# KiCad board beat_sequencer_choc.kicad_pcb
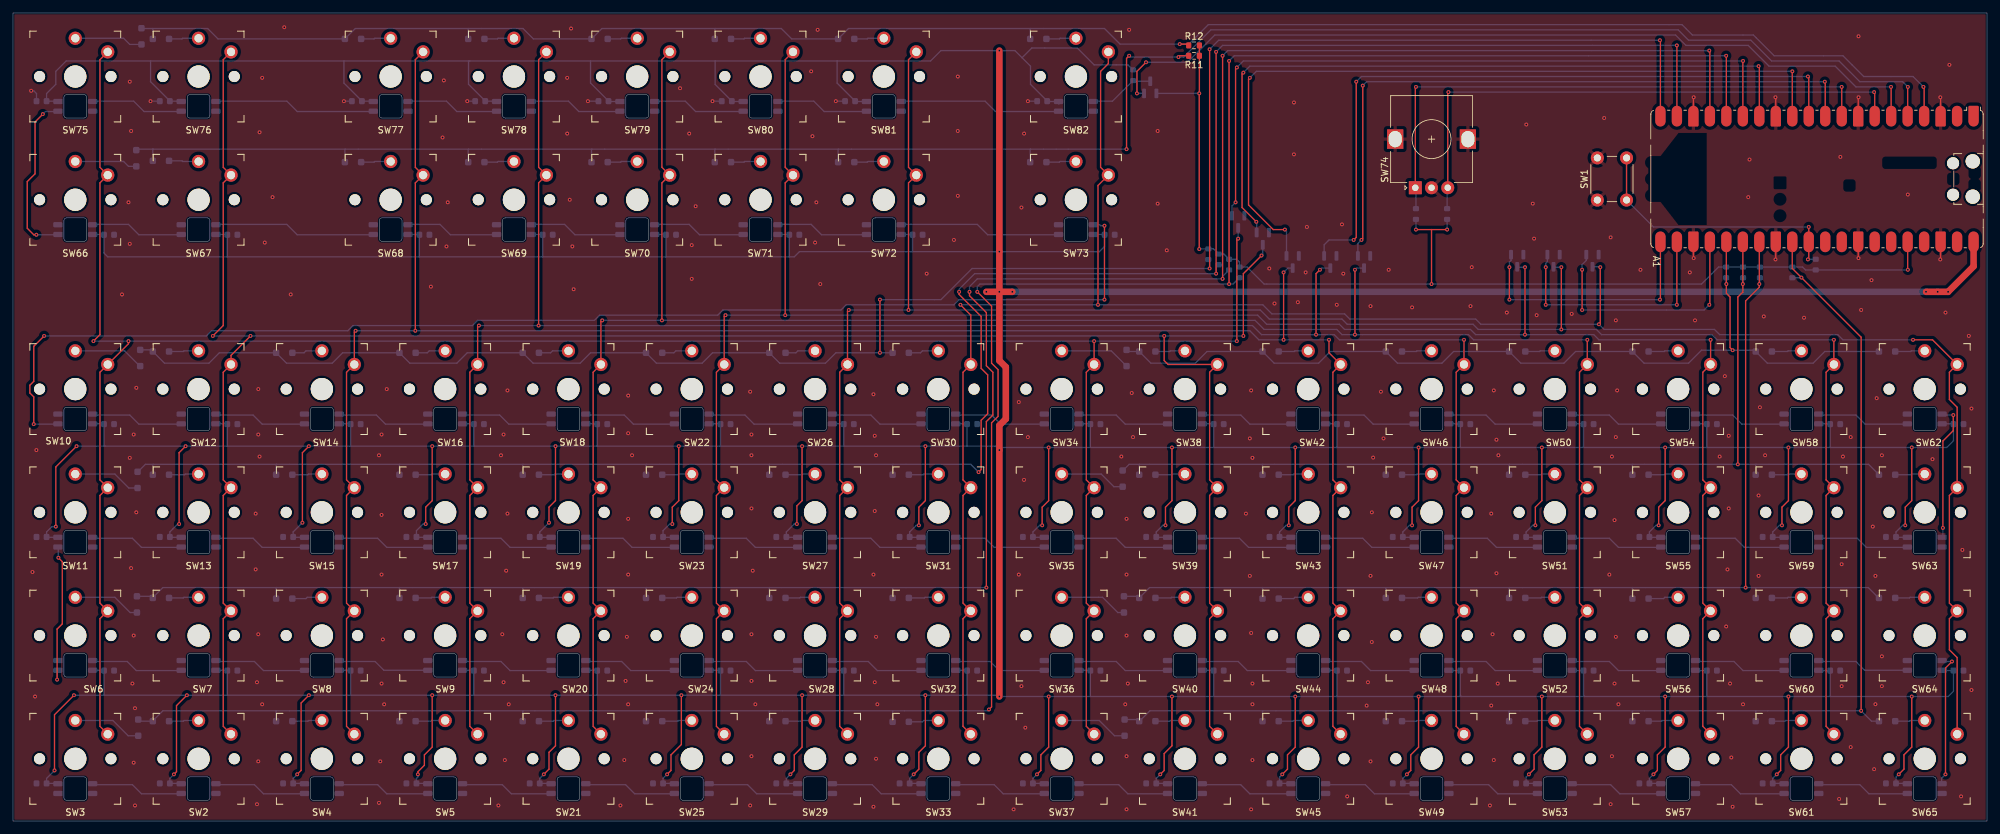
[diagram p0: board, top side]
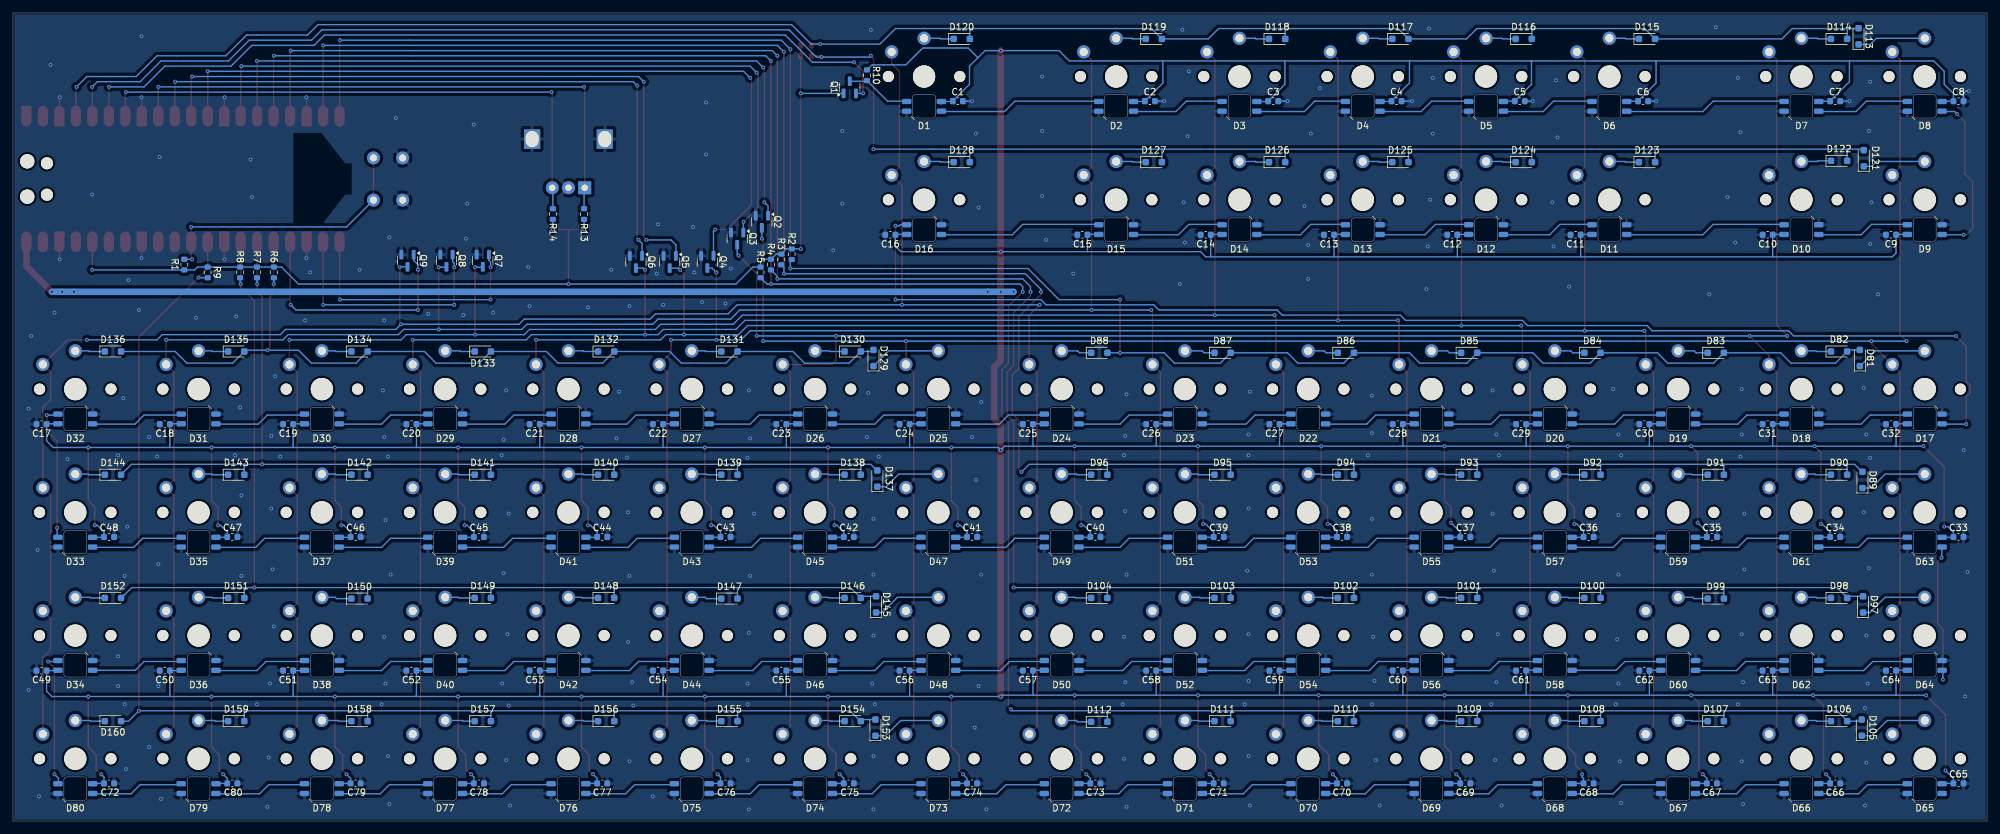
[diagram p1: board, bottom side, seen from below]

Outline 304.2 x 124.6 mm; copper layers: Top, Bottom. Coordinates in mm from the lower left corner of the outline.
Outline path: 0,124.6 304.2,124.6 304.2,0 0,0 0,124.6
Stack: Top 0.035mm / dielectric 1.51mm FR4 er 4.5 / Bottom 0.035mm

## Placement (name value [footprint] x y rotation side)
A1  RaspberryPi_Pico  [RaspberryPi_Pico_Common_SMD]  278 99 270 top
C1  100n  [C_0603_1608Metric]  158.6 111 180 bottom
C2  100n  [C_0603_1608Metric]  129 111 180 bottom
C3  100n  [C_0603_1608Metric]  110 111 180 bottom
C4  100n  [C_0603_1608Metric]  91 111 180 bottom
C5  100n  [C_0603_1608Metric]  72 111 180 bottom
C6  100n  [C_0603_1608Metric]  53 111 180 bottom
C7  100n  [C_0603_1608Metric]  23.4 111 180 bottom
C8  100n  [C_0603_1608Metric]  4.4 111 180 bottom
C9  100n  [C_0603_1608Metric]  14.8 90.4 0 bottom
C10  100n  [C_0603_1608Metric]  33.8 90.4 0 bottom
C11  100n  [C_0603_1608Metric]  63.4 90.4 0 bottom
C12  100n  [C_0603_1608Metric]  82.4 90.4 0 bottom
C13  100n  [C_0603_1608Metric]  101.4 90.4 0 bottom
C14  100n  [C_0603_1608Metric]  120.4 90.4 0 bottom
C15  100n  [C_0603_1608Metric]  139.4 90.4 0 bottom
C16  100n  [C_0603_1608Metric]  169 90.4 0 bottom
C17  100n  [C_0603_1608Metric]  299.8 61.2 0 bottom
C18  100n  [C_0603_1608Metric]  280.8 61.2 0 bottom
C19  100n  [C_0603_1608Metric]  261.8 61.2 0 bottom
C20  100n  [C_0603_1608Metric]  242.8 61.2 0 bottom
C21  100n  [C_0603_1608Metric]  223.8 61.2 0 bottom
C22  100n  [C_0603_1608Metric]  204.8 61.2 0 bottom
C23  100n  [C_0603_1608Metric]  185.8 61.2 0 bottom
C24  100n  [C_0603_1608Metric]  166.8 61.2 0 bottom
C25  100n  [C_0603_1608Metric]  147.8 61.2 0 bottom
C26  100n  [C_0603_1608Metric]  128.8 61.2 0 bottom
C27  100n  [C_0603_1608Metric]  109.8 61.2 0 bottom
C28  100n  [C_0603_1608Metric]  90.8 61.2 0 bottom
C29  100n  [C_0603_1608Metric]  71.8 61.2 0 bottom
C30  100n  [C_0603_1608Metric]  52.8 61.2 0 bottom
C31  100n  [C_0603_1608Metric]  33.8 61.2 0 bottom
C32  100n  [C_0603_1608Metric]  14.8 61.2 0 bottom
C33  100n  [C_0603_1608Metric]  4.4 43.8 180 bottom
C34  100n  [C_0603_1608Metric]  23.4 43.8 180 bottom
C35  100n  [C_0603_1608Metric]  42.4 43.8 180 bottom
C36  100n  [C_0603_1608Metric]  61.4 43.8 180 bottom
C37  100n  [C_0603_1608Metric]  80.4 43.8 180 bottom
C38  100n  [C_0603_1608Metric]  99.4 43.8 180 bottom
C39  100n  [C_0603_1608Metric]  118.4 43.8 180 bottom
C40  100n  [C_0603_1608Metric]  137.4 43.8 180 bottom
C41  100n  [C_0603_1608Metric]  156.4 43.8 180 bottom
C42  100n  [C_0603_1608Metric]  175.4 43.8 180 bottom
C43  100n  [C_0603_1608Metric]  194.4 43.8 180 bottom
C44  100n  [C_0603_1608Metric]  213.4 43.8 180 bottom
C45  100n  [C_0603_1608Metric]  232.4 43.8 180 bottom
C46  100n  [C_0603_1608Metric]  251.4 43.8 180 bottom
C47  100n  [C_0603_1608Metric]  270.4 43.8 180 bottom
C48  100n  [C_0603_1608Metric]  289.4 43.8 180 bottom
C49  100n  [C_0603_1608Metric]  299.8 23.2 0 bottom
C50  100n  [C_0603_1608Metric]  280.8 23.2 0 bottom
C51  100n  [C_0603_1608Metric]  261.8 23.2 0 bottom
C52  100n  [C_0603_1608Metric]  242.8 23.2 0 bottom
C53  100n  [C_0603_1608Metric]  223.8 23.2 0 bottom
C54  100n  [C_0603_1608Metric]  204.8 23.2 0 bottom
C55  100n  [C_0603_1608Metric]  185.8 23.2 0 bottom
C56  100n  [C_0603_1608Metric]  166.8 23.2 0 bottom
C57  100n  [C_0603_1608Metric]  147.8 23.2 0 bottom
C58  100n  [C_0603_1608Metric]  128.8 23.2 0 bottom
C59  100n  [C_0603_1608Metric]  109.8 23.2 0 bottom
C60  100n  [C_0603_1608Metric]  90.8 23.2 0 bottom
C61  100n  [C_0603_1608Metric]  71.8 23.2 0 bottom
C62  100n  [C_0603_1608Metric]  52.8 23.2 0 bottom
C63  100n  [C_0603_1608Metric]  33.8 23.2 0 bottom
C64  100n  [C_0603_1608Metric]  14.8 23.2 0 bottom
C65  100n  [C_0603_1608Metric]  4.4 5.8 180 bottom
C66  100n  [C_0603_1608Metric]  23.4 5.8 180 bottom
C67  100n  [C_0603_1608Metric]  42.4 5.8 180 bottom
C68  100n  [C_0603_1608Metric]  61.4 5.8 180 bottom
C69  100n  [C_0603_1608Metric]  80.4 5.8 180 bottom
C70  100n  [C_0603_1608Metric]  99.4 5.8 180 bottom
C71  100n  [C_0603_1608Metric]  118.4 5.8 180 bottom
C72  100n  [C_0603_1608Metric]  289.4 5.8 180 bottom
C73  100n  [C_0603_1608Metric]  137.4 5.8 180 bottom
C74  100n  [C_0603_1608Metric]  156.4 5.8 180 bottom
C75  100n  [C_0603_1608Metric]  175.4 5.8 180 bottom
C76  100n  [C_0603_1608Metric]  194.4 5.8 180 bottom
C77  100n  [C_0603_1608Metric]  213.4 5.8 180 bottom
C78  100n  [C_0603_1608Metric]  232.4 5.8 180 bottom
C79  100n  [C_0603_1608Metric]  251.4 5.8 180 bottom
C80  100n  [C_0603_1608Metric]  270.4 5.8 180 bottom
D1  WS2812B  [LED_SK6812_MINI_REVERSE]  163.8 110.2 180 bottom
D2  WS2812B  [LED_SK6812_MINI_REVERSE]  134.2 110.2 180 bottom
D3  WS2812B  [LED_SK6812_MINI_REVERSE]  115.2 110.2 180 bottom
D4  WS2812B  [LED_SK6812_MINI_REVERSE]  96.2 110.2 180 bottom
D5  WS2812B  [LED_SK6812_MINI_REVERSE]  77.2 110.2 180 bottom
D6  WS2812B  [LED_SK6812_MINI_REVERSE]  58.2 110.2 180 bottom
D7  WS2812B  [LED_SK6812_MINI_REVERSE]  28.6 110.2 180 bottom
D8  WS2812B  [LED_SK6812_MINI_REVERSE]  9.6 110.2 180 bottom
D9  WS2812B  [LED_SK6812_MINI_REVERSE]  9.6 91.2 0 bottom
D10  WS2812B  [LED_SK6812_MINI_REVERSE]  28.6 91.2 0 bottom
D11  WS2812B  [LED_SK6812_MINI_REVERSE]  58.2 91.2 0 bottom
D12  WS2812B  [LED_SK6812_MINI_REVERSE]  77.2 91.2 0 bottom
D13  WS2812B  [LED_SK6812_MINI_REVERSE]  96.2 91.2 0 bottom
D14  WS2812B  [LED_SK6812_MINI_REVERSE]  115.2 91.2 0 bottom
D15  WS2812B  [LED_SK6812_MINI_REVERSE]  134.2 91.2 0 bottom
D16  WS2812B  [LED_SK6812_MINI_REVERSE]  163.8 91.2 0 bottom
D17  WS2812B  [LED_SK6812_MINI_REVERSE]  9.6 62 0 bottom
D18  WS2812B  [LED_SK6812_MINI_REVERSE]  28.6 62 0 bottom
D19  WS2812B  [LED_SK6812_MINI_REVERSE]  47.6 62 0 bottom
D20  WS2812B  [LED_SK6812_MINI_REVERSE]  66.6 62 0 bottom
D21  WS2812B  [LED_SK6812_MINI_REVERSE]  85.6 62 0 bottom
D22  WS2812B  [LED_SK6812_MINI_REVERSE]  104.6 62 0 bottom
D23  WS2812B  [LED_SK6812_MINI_REVERSE]  123.6 62 0 bottom
D24  WS2812B  [LED_SK6812_MINI_REVERSE]  142.6 62 0 bottom
D25  WS2812B  [LED_SK6812_MINI_REVERSE]  161.6 62 0 bottom
D26  WS2812B  [LED_SK6812_MINI_REVERSE]  180.6 62 0 bottom
D27  WS2812B  [LED_SK6812_MINI_REVERSE]  199.6 62 0 bottom
D28  WS2812B  [LED_SK6812_MINI_REVERSE]  218.6 62 0 bottom
D29  WS2812B  [LED_SK6812_MINI_REVERSE]  237.6 62 0 bottom
D30  WS2812B  [LED_SK6812_MINI_REVERSE]  256.6 62 0 bottom
D31  WS2812B  [LED_SK6812_MINI_REVERSE]  275.6 62 0 bottom
D32  WS2812B  [LED_SK6812_MINI_REVERSE]  294.6 62 0 bottom
D33  WS2812B  [LED_SK6812_MINI_REVERSE]  294.6 43 180 bottom
D34  WS2812B  [LED_SK6812_MINI_REVERSE]  294.6 24 0 bottom
D35  WS2812B  [LED_SK6812_MINI_REVERSE]  275.6 43 180 bottom
D36  WS2812B  [LED_SK6812_MINI_REVERSE]  275.6 24 0 bottom
D37  WS2812B  [LED_SK6812_MINI_REVERSE]  256.6 43 180 bottom
D38  WS2812B  [LED_SK6812_MINI_REVERSE]  256.6 24 0 bottom
D39  WS2812B  [LED_SK6812_MINI_REVERSE]  237.6 43 180 bottom
D40  WS2812B  [LED_SK6812_MINI_REVERSE]  237.6 24 0 bottom
D41  WS2812B  [LED_SK6812_MINI_REVERSE]  218.6 43 180 bottom
D42  WS2812B  [LED_SK6812_MINI_REVERSE]  218.6 24 0 bottom
D43  WS2812B  [LED_SK6812_MINI_REVERSE]  199.6 43 180 bottom
D44  WS2812B  [LED_SK6812_MINI_REVERSE]  199.6 24 0 bottom
D45  WS2812B  [LED_SK6812_MINI_REVERSE]  180.6 43 180 bottom
D46  WS2812B  [LED_SK6812_MINI_REVERSE]  180.6 24 0 bottom
D47  WS2812B  [LED_SK6812_MINI_REVERSE]  161.6 43 180 bottom
D48  WS2812B  [LED_SK6812_MINI_REVERSE]  161.6 24 0 bottom
D49  WS2812B  [LED_SK6812_MINI_REVERSE]  142.6 43 180 bottom
D50  WS2812B  [LED_SK6812_MINI_REVERSE]  142.6 24 0 bottom
D51  WS2812B  [LED_SK6812_MINI_REVERSE]  123.6 43 180 bottom
D52  WS2812B  [LED_SK6812_MINI_REVERSE]  123.6 24 0 bottom
D53  WS2812B  [LED_SK6812_MINI_REVERSE]  104.6 43 180 bottom
D54  WS2812B  [LED_SK6812_MINI_REVERSE]  104.6 24 0 bottom
D55  WS2812B  [LED_SK6812_MINI_REVERSE]  85.6 43 180 bottom
D56  WS2812B  [LED_SK6812_MINI_REVERSE]  85.6 24 0 bottom
D57  WS2812B  [LED_SK6812_MINI_REVERSE]  66.6 43 180 bottom
D58  WS2812B  [LED_SK6812_MINI_REVERSE]  66.6 24 0 bottom
D59  WS2812B  [LED_SK6812_MINI_REVERSE]  47.6 43 180 bottom
D60  WS2812B  [LED_SK6812_MINI_REVERSE]  47.6 24 0 bottom
D61  WS2812B  [LED_SK6812_MINI_REVERSE]  28.6 43 180 bottom
D62  WS2812B  [LED_SK6812_MINI_REVERSE]  28.6 24 0 bottom
D63  WS2812B  [LED_SK6812_MINI_REVERSE]  9.6 43 180 bottom
D64  WS2812B  [LED_SK6812_MINI_REVERSE]  9.6 24 0 bottom
D65  WS2812B  [LED_SK6812_MINI_REVERSE]  9.6 5 180 bottom
D66  WS2812B  [LED_SK6812_MINI_REVERSE]  28.6 5 180 bottom
D67  WS2812B  [LED_SK6812_MINI_REVERSE]  47.6 5 180 bottom
D68  WS2812B  [LED_SK6812_MINI_REVERSE]  66.6 5 180 bottom
D69  WS2812B  [LED_SK6812_MINI_REVERSE]  85.6 5 180 bottom
D70  WS2812B  [LED_SK6812_MINI_REVERSE]  104.6 5 180 bottom
D71  WS2812B  [LED_SK6812_MINI_REVERSE]  123.6 5 180 bottom
D72  WS2812B  [LED_SK6812_MINI_REVERSE]  142.6 5 180 bottom
D73  WS2812B  [LED_SK6812_MINI_REVERSE]  161.6 5 180 bottom
D74  WS2812B  [LED_SK6812_MINI_REVERSE]  180.6 5 180 bottom
D75  WS2812B  [LED_SK6812_MINI_REVERSE]  199.6 5 180 bottom
D76  WS2812B  [LED_SK6812_MINI_REVERSE]  218.6 5 180 bottom
D77  WS2812B  [LED_SK6812_MINI_REVERSE]  237.6 5 180 bottom
D78  WS2812B  [LED_SK6812_MINI_REVERSE]  256.6 5 180 bottom
D79  WS2812B  [LED_SK6812_MINI_REVERSE]  275.6 5 180 bottom
D80  WS2812B  [LED_SK6812_MINI_REVERSE]  294.6 5 180 bottom
D81  D_Schottky  [D_SOD-323_HandSoldering]  19.6 71.4 90 bottom
D82  D_Schottky  [D_SOD-323_HandSoldering]  22.8 72.4 180 bottom
D83  D_Schottky  [D_SOD-323_HandSoldering]  41.8 72.2 180 bottom
D84  D_Schottky  [D_SOD-323_HandSoldering]  60.8 72.2 180 bottom
D85  D_Schottky  [D_SOD-323_HandSoldering]  79.8 72.2 180 bottom
D86  D_Schottky  [D_SOD-323_HandSoldering]  98.8 72.2 180 bottom
D87  D_Schottky  [D_SOD-323_HandSoldering]  117.8 72.2 180 bottom
D88  D_Schottky  [D_SOD-323_HandSoldering]  136.8 72.2 180 bottom
D89  D_Schottky  [D_SOD-323_HandSoldering]  19.2 52.6 90 bottom
D90  D_Schottky  [D_SOD-323_HandSoldering]  22.8 53.4 180 bottom
D91  D_Schottky  [D_SOD-323_HandSoldering]  41.8 53.4 180 bottom
D92  D_Schottky  [D_SOD-323_HandSoldering]  60.8 53.4 180 bottom
D93  D_Schottky  [D_SOD-323_HandSoldering]  79.8 53.4 180 bottom
D94  D_Schottky  [D_SOD-323_HandSoldering]  98.8 53.4 180 bottom
D95  D_Schottky  [D_SOD-323_HandSoldering]  117.8 53.4 180 bottom
D96  D_Schottky  [D_SOD-323_HandSoldering]  136.8 53.4 180 bottom
D97  D_Schottky  [D_SOD-323_HandSoldering]  19.1 33.4 90 bottom
D98  D_Schottky  [D_SOD-323_HandSoldering]  22.8 34.4 180 bottom
D99  D_Schottky  [D_SOD-323_HandSoldering]  41.8 34.3 180 bottom
D100  D_Schottky  [D_SOD-323_HandSoldering]  60.8 34.4 180 bottom
D101  D_Schottky  [D_SOD-323_HandSoldering]  79.8 34.4 180 bottom
D102  D_Schottky  [D_SOD-323_HandSoldering]  98.8 34.4 180 bottom
D103  D_Schottky  [D_SOD-323_HandSoldering]  117.8 34.4 180 bottom
D104  D_Schottky  [D_SOD-323_HandSoldering]  136.8 34.4 180 bottom
D105  D_Schottky  [D_SOD-323_HandSoldering]  19.3 14.4 90 bottom
D106  D_Schottky  [D_SOD-323_HandSoldering]  22.8 15.4 180 bottom
D107  D_Schottky  [D_SOD-323_HandSoldering]  41.8 15.4 180 bottom
D108  D_Schottky  [D_SOD-323_HandSoldering]  60.8 15.4 180 bottom
D109  D_Schottky  [D_SOD-323_HandSoldering]  79.8 15.4 180 bottom
D110  D_Schottky  [D_SOD-323_HandSoldering]  98.8 15.4 180 bottom
D111  D_Schottky  [D_SOD-323_HandSoldering]  117.8 15.4 180 bottom
D112  D_Schottky  [D_SOD-323_HandSoldering]  136.8 15.3 180 bottom
D113  D_Schottky  [D_SOD-323_HandSoldering]  19.8 121 90 bottom
D114  D_Schottky  [D_SOD-323_HandSoldering]  22.8 120.6 180 bottom
D115  D_Schottky  [D_SOD-323_HandSoldering]  52.4 120.6 180 bottom
D116  D_Schottky  [D_SOD-323_HandSoldering]  71.4 120.6 180 bottom
D117  D_Schottky  [D_SOD-323_HandSoldering]  90.4 120.6 180 bottom
D118  D_Schottky  [D_SOD-323_HandSoldering]  109.4 120.6 180 bottom
D119  D_Schottky  [D_SOD-323_HandSoldering]  128.4 120.6 180 bottom
D120  D_Schottky  [D_SOD-323_HandSoldering]  158 120.6 180 bottom
D121  D_Schottky  [D_SOD-323_HandSoldering]  19 102.2 90 bottom
D122  D_Schottky  [D_SOD-323_HandSoldering]  22.8 101.8 180 bottom
D123  D_Schottky  [D_SOD-323_HandSoldering]  52.4 101.6 180 bottom
D124  D_Schottky  [D_SOD-323_HandSoldering]  71.4 101.6 180 bottom
D125  D_Schottky  [D_SOD-323_HandSoldering]  90.4 101.6 180 bottom
D126  D_Schottky  [D_SOD-323_HandSoldering]  109.4 101.6 180 bottom
D127  D_Schottky  [D_SOD-323_HandSoldering]  128.4 101.6 180 bottom
D128  D_Schottky  [D_SOD-323_HandSoldering]  158 101.6 180 bottom
D129  D_Schottky  [D_SOD-323_HandSoldering]  171.6 71.4 90 bottom
D130  D_Schottky  [D_SOD-323_HandSoldering]  174.8 72.4 180 bottom
D131  D_Schottky  [D_SOD-323_HandSoldering]  193.8 72.4 180 bottom
D132  D_Schottky  [D_SOD-323_HandSoldering]  212.8 72.4 180 bottom
D133  D_Schottky  [D_SOD-323_HandSoldering]  231.8 72.4 180 bottom
D134  D_Schottky  [D_SOD-323_HandSoldering]  250.8 72.4 180 bottom
D135  D_Schottky  [D_SOD-323_HandSoldering]  269.8 72.4 180 bottom
D136  D_Schottky  [D_SOD-323_HandSoldering]  288.8 72.4 180 bottom
D137  D_Schottky  [D_SOD-323_HandSoldering]  171 52.8 90 bottom
D138  D_Schottky  [D_SOD-323_HandSoldering]  174.8 53.4 180 bottom
D139  D_Schottky  [D_SOD-323_HandSoldering]  193.8 53.4 180 bottom
D140  D_Schottky  [D_SOD-323_HandSoldering]  212.8 53.4 180 bottom
D141  D_Schottky  [D_SOD-323_HandSoldering]  231.8 53.4 180 bottom
D142  D_Schottky  [D_SOD-323_HandSoldering]  250.8 53.4 180 bottom
D143  D_Schottky  [D_SOD-323_HandSoldering]  269.8 53.4 180 bottom
D144  D_Schottky  [D_SOD-323_HandSoldering]  288.8 53.4 180 bottom
D145  D_Schottky  [D_SOD-323_HandSoldering]  171.2 33.4 90 bottom
D146  D_Schottky  [D_SOD-323_HandSoldering]  174.8 34.4 180 bottom
D147  D_Schottky  [D_SOD-323_HandSoldering]  193.8 34.3 180 bottom
D148  D_Schottky  [D_SOD-323_HandSoldering]  212.8 34.4 180 bottom
D149  D_Schottky  [D_SOD-323_HandSoldering]  231.8 34.4 180 bottom
D150  D_Schottky  [D_SOD-323_HandSoldering]  250.8 34.3 180 bottom
D151  D_Schottky  [D_SOD-323_HandSoldering]  269.8 34.4 180 bottom
D152  D_Schottky  [D_SOD-323_HandSoldering]  288.8 34.4 180 bottom
D153  D_Schottky  [D_SOD-323_HandSoldering]  171.3 14.4 90 bottom
D154  D_Schottky  [D_SOD-323_HandSoldering]  174.8 15.4 180 bottom
D155  D_Schottky  [D_SOD-323_HandSoldering]  193.8 15.4 180 bottom
D156  D_Schottky  [D_SOD-323_HandSoldering]  212.8 15.4 180 bottom
D157  D_Schottky  [D_SOD-323_HandSoldering]  231.8 15.4 180 bottom
D158  D_Schottky  [D_SOD-323_HandSoldering]  250.8 15.4 180 bottom
D159  D_Schottky  [D_SOD-323_HandSoldering]  269.8 15.4 180 bottom
D160  D_Schottky  [D_SOD-323_HandSoldering]  288.8 15.4 180 bottom
Q1  2N7002  [SOT-23]  175.25 113.14 90 bottom
Q2  2N7002  [SOT-23]  188.8 92.4 270 bottom
Q3  2N7002  [SOT-23]  192.6 89.8 270 bottom
Q4  2N7002  [SOT-23]  197.2 86.2 270 bottom
Q5  2N7002  [SOT-23]  203 86.2 270 bottom
Q6  2N7002  [SOT-23]  208.2 86.2 270 bottom
Q7  2N7002  [SOT-23]  231.8 86.4 270 bottom
Q8  2N7002  [SOT-23]  237.4 86.4 270 bottom
Q9  2N7002  [SOT-23]  243.4 86.4 270 bottom
R1  NC  [R_0603_1608Metric]  277.8 85.8 90 bottom  (not fitted)
R2  10k  [R_0603_1608Metric]  184.2 87.4 270 bottom
R3  10k  [R_0603_1608Metric]  185.8 86.6 270 bottom
R4  10k  [R_0603_1608Metric]  187.4 85.8 270 bottom
R5  10k  [R_0603_1608Metric]  189 84.6 270 bottom
R6  10k  [R_0603_1608Metric]  264 84.6 270 bottom
R7  10k  [R_0603_1608Metric]  266.6 84.6 270 bottom
R8  10k  [R_0603_1608Metric]  269.2 84.6 270 bottom
R9  10k  [R_0603_1608Metric]  274.2 84.6 270 bottom
R10  10k  [R_0603_1608Metric]  172.6 115 270 bottom
R11  10k  [R_0603_1608Metric]  182 118 180 top
R12  10k  [R_0603_1608Metric]  182 119.6 180 top
R13  10k  [R_0603_1608Metric]  216.2 93.6 90 bottom
R14  10k  [R_0603_1608Metric]  221 93.6 90 bottom
SW1  SW_SPST  [SW_PUSH_6mm]  244.15 95.75 90 top
SW2  SW_SPST  [SW_PG1350]  28.6 9.6 180 top
SW3  SW_SPST  [SW_PG1350]  9.6 9.6 180 top
SW4  SW_SPST  [SW_PG1350]  47.6 9.6 180 top
SW5  SW_SPST  [SW_PG1350]  66.6 9.6 180 top
SW6  SW_SPST  [SW_PG1350]  9.6 28.6 180 top
SW7  SW_SPST  [SW_PG1350]  28.6 28.6 180 top
SW8  SW_SPST  [SW_PG1350]  47.6 28.6 180 top
SW9  SW_SPST  [SW_PG1350]  66.6 28.6 180 top
SW10  SW_SPST  [SW_PG1350]  9.6 66.6 180 top
SW11  SW_SPST  [SW_PG1350]  9.6 47.6 180 top
SW12  SW_SPST  [SW_PG1350]  28.6 66.6 180 top
SW13  SW_SPST  [SW_PG1350]  28.6 47.6 180 top
SW14  SW_SPST  [SW_PG1350]  47.6 66.6 180 top
SW15  SW_SPST  [SW_PG1350]  47.6 47.6 180 top
SW16  SW_SPST  [SW_PG1350]  66.6 66.6 180 top
SW17  SW_SPST  [SW_PG1350]  66.6 47.6 180 top
SW18  SW_SPST  [SW_PG1350]  85.6 66.6 180 top
SW19  SW_SPST  [SW_PG1350]  85.6 47.6 180 top
SW20  SW_SPST  [SW_PG1350]  85.6 28.6 180 top
SW21  SW_SPST  [SW_PG1350]  85.6 9.6 180 top
SW22  SW_SPST  [SW_PG1350]  104.6 66.6 180 top
SW23  SW_SPST  [SW_PG1350]  104.6 47.6 180 top
SW24  SW_SPST  [SW_PG1350]  104.6 28.6 180 top
SW25  SW_SPST  [SW_PG1350]  104.6 9.6 180 top
SW26  SW_SPST  [SW_PG1350]  123.6 66.6 180 top
SW27  SW_SPST  [SW_PG1350]  123.6 47.6 180 top
SW28  SW_SPST  [SW_PG1350]  123.6 28.6 180 top
SW29  SW_SPST  [SW_PG1350]  123.6 9.6 180 top
SW30  SW_SPST  [SW_PG1350]  142.6 66.6 180 top
SW31  SW_SPST  [SW_PG1350]  142.6 47.6 180 top
SW32  SW_SPST  [SW_PG1350]  142.6 28.6 180 top
SW33  SW_SPST  [SW_PG1350]  142.6 9.6 180 top
SW34  SW_SPST  [SW_PG1350]  161.6 66.6 180 top
SW35  SW_SPST  [SW_PG1350]  161.6 47.6 180 top
SW36  SW_SPST  [SW_PG1350]  161.6 28.6 180 top
SW37  SW_SPST  [SW_PG1350]  161.6 9.6 180 top
SW38  SW_SPST  [SW_PG1350]  180.6 66.6 180 top
SW39  SW_SPST  [SW_PG1350]  180.6 47.6 180 top
SW40  SW_SPST  [SW_PG1350]  180.6 28.6 180 top
SW41  SW_SPST  [SW_PG1350]  180.6 9.6 180 top
SW42  SW_SPST  [SW_PG1350]  199.6 66.6 180 top
SW43  SW_SPST  [SW_PG1350]  199.6 47.6 180 top
SW44  SW_SPST  [SW_PG1350]  199.6 28.6 180 top
SW45  SW_SPST  [SW_PG1350]  199.6 9.6 180 top
SW46  SW_SPST  [SW_PG1350]  218.6 66.6 180 top
SW47  SW_SPST  [SW_PG1350]  218.6 47.6 180 top
SW48  SW_SPST  [SW_PG1350]  218.6 28.6 180 top
SW49  SW_SPST  [SW_PG1350]  218.6 9.6 180 top
SW50  SW_SPST  [SW_PG1350]  237.6 66.6 180 top
SW51  SW_SPST  [SW_PG1350]  237.6 47.6 180 top
SW52  SW_SPST  [SW_PG1350]  237.6 28.6 180 top
SW53  SW_SPST  [SW_PG1350]  237.6 9.6 180 top
SW54  SW_SPST  [SW_PG1350]  256.6 66.6 180 top
SW55  SW_SPST  [SW_PG1350]  256.6 47.6 180 top
SW56  SW_SPST  [SW_PG1350]  256.6 28.6 180 top
SW57  SW_SPST  [SW_PG1350]  256.6 9.6 180 top
SW58  SW_SPST  [SW_PG1350]  275.6 66.6 180 top
SW59  SW_SPST  [SW_PG1350]  275.6 47.6 180 top
SW60  SW_SPST  [SW_PG1350]  275.6 28.6 180 top
SW61  SW_SPST  [SW_PG1350]  275.6 9.6 180 top
SW62  SW_SPST  [SW_PG1350]  294.6 66.6 180 top
SW63  SW_SPST  [SW_PG1350]  294.6 47.6 180 top
SW64  SW_SPST  [SW_PG1350]  294.6 28.6 180 top
SW65  SW_SPST  [SW_PG1350]  294.6 9.6 180 top
SW66  SW_SPST  [SW_PG1350]  9.6 95.8 180 top
SW67  SW_SPST  [SW_PG1350]  28.6 95.8 180 top
SW68  SW_SPST  [SW_PG1350]  58.2 95.8 180 top
SW69  SW_SPST  [SW_PG1350]  77.2 95.8 180 top
SW70  SW_SPST  [SW_PG1350]  96.2 95.8 180 top
SW71  SW_SPST  [SW_PG1350]  115.2 95.8 180 top
SW72  SW_SPST  [SW_PG1350]  134.2 95.8 180 top
SW73  SW_SPST  [SW_PG1350]  163.8 95.8 180 top
SW74  RotaryEncoder_Switch_MP  [RotaryEncoder_Alps_EC12E_Vertical_H20mm]  216.1 97.65 90 top
SW75  SW_SPST  [SW_PG1350]  9.6 114.8 180 top
SW76  SW_SPST  [SW_PG1350]  28.6 114.8 180 top
SW77  SW_SPST  [SW_PG1350]  58.2 114.8 180 top
SW78  SW_SPST  [SW_PG1350]  77.2 114.8 180 top
SW79  SW_SPST  [SW_PG1350]  96.2 114.8 180 top
SW80  SW_SPST  [SW_PG1350]  115.2 114.8 180 top
SW81  SW_SPST  [SW_PG1350]  134.2 114.8 180 top
SW82  SW_SPST  [SW_PG1350]  163.8 114.8 180 top

## Library data of the parts
A1 = -: Datasheet: https://datasheets.raspberrypi.com/pico/pico-datasheet.pdf; Description: Versatile and inexpensive microcontroller module powered by RP2040 dual-core Arm Cortex-M0+ processor up to 133 MHz, 264kB SRAM, 2MB QSPI flash; also supports Raspberry Pi Pico 2; ki_fp_filters: RaspberryPi?Pico?Common* RaspberryPi?Pico?SMD*
C1-C80 = -: Description: Unpolarized capacitor; ki_fp_filters: C_*
D1-D80 = -: Datasheet: https://cdn-shop.adafruit.com/datasheets/WS2812B.pdf; Description: RGB LED with integrated controller; ki_fp_filters: LED*WS2812*PLCC*5.0x5.0mm*P3.2mm*
D81-D160 = -: Description: Schottky diode; ki_fp_filters: TO-???* *_Diode_* *SingleDiode* D_*
Q1-Q9 = -: Datasheet: https://www.onsemi.com/pub/Collateral/NDS7002A-D.PDF; Description: 0.115A Id, 60V Vds, N-Channel MOSFET, SOT-23; ki_fp_filters: SOT?23*
R1-R14 = -: Description: Resistor; ki_fp_filters: R_*
SW1-SW73 SW75-SW82 = -: Description: Single Pole Single Throw (SPST) switch
SW74 = -: Description: Rotary encoder, dual channel, incremental quadrate outputs, with switch and MP Pin; ki_fp_filters: RotaryEncoder*Switch*
